# Altium PCB PA_8CH_CTRL.PcbDoc (part 3 of 11) (continued)
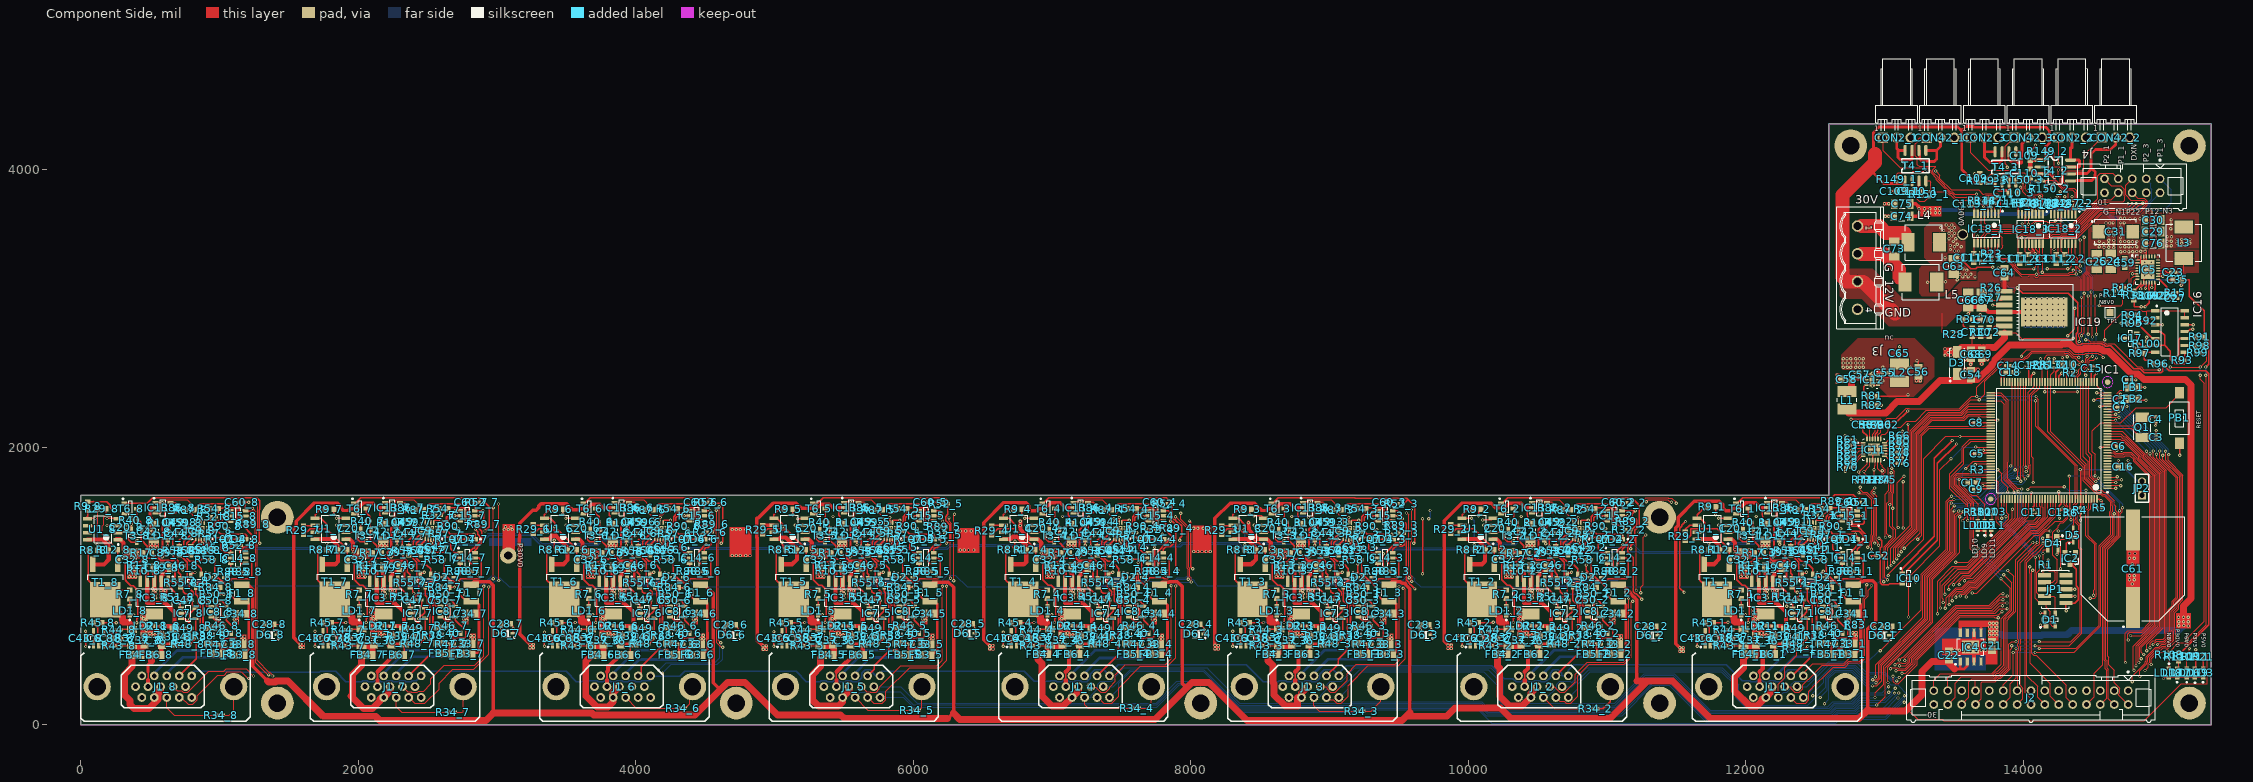
[diagram p0: Component Side view]
## Nets (pads, with @x,y where several pads share a name; then routed paths per layer and width w, separated by ;. In a path a pad name is that pad's centre, name@x,y a point inside that pad or via, vN(x,y) a via of type N, cw(c..) or ccw(c..) an arc to the next point about the centre after c; other vN are vias at no path point)
ADC_IN0: IC1.34 J1_8.5 | length 17190
  Component Side w6: v1(14507,2339) 14518.62,2339 14531.81,2352.19 14605.33,2352.19 IC1.34@14607.26,2354.12 ; v1(14784,310) 14784,351.57 14877.19,444.76 14877.19,453.56 14886,462.37 14886,492.59 14952.6,559.19 14976.05,559.19 14996.96,580.1 15022.11,580.1 15061,619 15061,669.36 15055,675.36 15055,824.64 15084,853.64 15084,885.99 15114.36,916.36 15114.36,1785.34 14983,1916.71 v1(14983,1974)
  Signal Layer 1 w6: J1_8.5@780.71,196.5 960.51,196.5 1013.98,143.02 1156.67,143.02 1298.24,284.59 1576.92,284.59 1743.51,118 2538,118 2542,122 2642.12,122 2683.12,81 4621.13,81 4671.76,30.37 4777.06,30.37 4804.69,58 7990.59,58 8018.22,30.37 8123.52,30.37 8136.15,43 11061.62,43 11214.92,196.3 11214.92,196.92 11302.59,284.59 11433.42,284.59 11660.01,58 12489.97,58 12517.97,86 12936.9,86 12940.71,82.19 13175.47,82.19 13314.62,221.34 13314.62,263.62 13357,306 14780,306 v1(14784,310)
  Solder Side w6: v1(14507,2339) 14545,2339 14614.81,2269.19 14663.62,2269.19 14674.24,2279.81 14696.62,2279.81 14983,1993.43 v1(14983,1974)
ADC_IN1: IC1.35 J1_8.10 | length 17568.8
  Component Side w6: v1(14559,2373) 14559.8,2373.8 IC1.35@14607.26,2373.8 ; v1(14840,349) 14840,390.6 14889.19,439.79 14889.19,448.59 14898,457.4 14898,487.62 14957.57,547.19 14981.02,547.19 15001.94,568.1 15027.08,568.1 15073,614.03 15073,674.33 15067,680.33 15067,819.67 15096,848.67 15096,881.02 15126.36,911.39 15126.36,1790.31 15005,1911.68 v1(15005,1944)
  Signal Layer 1 w6: J1_8.10@755.16,274.45 916.5,274.45 1023.92,167.02 1146.73,167.02 1297.71,318 1577.45,318 1752.96,142.49 2382.71,142.49 2386.22,146 2652.06,146 2693.06,105 4475.51,105 4576.75,206.24 4576.75,212.72 4660.62,296.59 4802.59,296.59 5017.18,82 7759.59,82 7883.83,206.24 7883.83,235.98 7959.85,312 8151,312 8218,245 8218,206.77 8344.77,80 11064.68,80 11190.92,206.24 11190.92,206.86 11292.65,308.59 11443.36,308.59 11666.95,85 12470.57,85 12558.38,172.81 12590.31,172.81 12664.93,98.19 12941.68,98.19 12945.68,94.19 13170.5,94.19 13302.62,226.31 13302.62,268.59 13352.03,318 14762.57,318 14775.38,330.81 14812.24,330.81 14830.43,349 v1(14840,349)
  Solder Side w6: v1(14559,2373) 14594,2338 14655.4,2338 15004.19,1989.21 15004.19,1944.81 v1(15005,1944)
ADC_IN2: IC1.36 J1_7.5 | length 15808.2
  Component Side w6: v1(14528.49,2393.49) 14550.06,2393.49 14550.38,2393.81 14606.94,2393.81 IC1.36@14607.26,2393.49 ; v1(14877,392) 14901.19,416.19 14901.19,443.62 14910,452.43 14910,482.65 14962.54,535.19 14985.99,535.19 15006.91,556.1 15032.05,556.1 15085,609.06 15085,679.3 15079,685.3 15079,814.7 15108,843.7 15108,876.05 15138.36,906.42 15138.36,1795.28 15025.81,1907.84 15025.81,1972.19 v1(15025,1973)
  Signal Layer 1 w6: J1_7.5@2434.25,197.64 J1_7.5@2453.62,197.64 2617.39,197.64 2698.03,117 4470.54,117 4564.75,211.21 4564.75,217.69 4655.65,308.59 4807.56,308.59 5022.15,94 7754.62,94 7871.83,211.21 7871.83,240.95 7954.88,324 8157,324 8230,251 8230,211.74 8349.74,92 11059.71,92 11178.92,211.21 11178.92,211.83 11287.68,320.59 11448.33,320.59 11671.92,97 12465.6,97 12553.41,184.81 12595.28,184.81 12669.9,110.19 12946.65,110.19 12950.65,106.19 13165.53,106.19 13290.62,231.28 13290.62,273.56 13347.06,330 14757.6,330 14770.41,342.81 14804.38,342.81 14831.38,369.81 14854.81,369.81 v1(14877,392)
  Solder Side w6: v1(14528.49,2393.49) 14528.81,2393.81 14567.62,2393.81 14579.81,2381.62 14579.81,2379.19 14609,2350 14660.57,2350 14660.57,2349.8 15025,1985.37 v1(15025,1973)
ADC_IN3: IC1.37 J1_7.10 | length 15947.2
  Component Side w6: IC1.37@14530.49,2470.26 14530.49,2443.51 v1(14557,2417) ; v1(14922,435) 14922,477.68 14967.51,523.19 15013.56,523.19 15034.47,544.1 15037.02,544.1 15097,604.09 15097,684.27 15091,690.27 15091,809.73 15120,838.73 15120,871.08 15150.36,901.45 15150.36,1800.25 15044,1906.62 15044,1945 v1(15047,1948)
  Signal Layer 1 w6: J1_7.10@2408.7,275.59 2479.33,275.59 2525.16,321.42 2575.29,321.42 2648.28,248.43 2648.28,206.05 2710.17,144.17 4463.76,144.17 4540.75,221.15 4540.75,227.63 4645.71,332.59 4817.5,332.59 5032.09,118 7744.68,118 7847.83,221.15 7847.83,250.89 7944.94,348 8169,348 8254,263 8254,221.68 8358.68,117 11050.77,117 11154.92,221.15 11154.92,221.77 11277.74,344.59 11458.27,344.59 11681.86,121 12445.8,121 12515.19,190.39 12515.19,206.62 12527.38,218.81 12578.25,218.81 12674.87,122.19 12951.62,122.19 12955.62,118.19 13160.56,118.19 13278.62,236.25 13278.62,278.53 13342.09,342 14752.63,342 14765.44,354.81 14799.41,354.81 14857.41,412.81 14899.81,412.81 v1(14922,435)
  Solder Side w6: v1(14557,2417) 14567,2417 14617,2367 14663,2367 14711,2319 14750.43,2319 14766.81,2302.62 14766.81,2267.19 15045.81,1988.19 15045.81,1949.19 v1(15047,1948)
ADC_IN4: IC1.18 J1_6.5 | length 13471.2
  Component Side w6: IC1.18@14607.26,2039.16 14723.84,2039.16 14832.19,1930.81 14832.19,1914.78 14947,1799.97 14947,723.25 14791.19,567.44 14791.19,399.81 v1(14797,394)
  Signal Layer 1 w6: J1_6.5@4087.8,197.64 J1_6.5@4107.17,197.64 4157.35,197.64 4198.82,156.17 4458.79,156.17 4528.75,226.12 4528.75,232.6 4640.74,344.59 4822.47,344.59 5037.06,130 7739.71,130 7835.83,226.12 7835.83,255.86 7939.97,360 8176,360 8266,270 8266,226.65 8363.65,129 11045.8,129 11142.92,226.12 11142.92,226.74 11272.77,356.59 11463.24,356.59 11686.69,133.14 12440.97,133.14 12503.19,195.36 12503.19,211.59 12522.41,230.81 12583.22,230.81 12657.86,156.17 12926.73,156.17 12934.38,163.81 12951.62,163.81 12959.43,156 13102.6,156 13128.41,130.19 13155.59,130.19 13266.62,241.22 13266.62,283.5 13337.12,354 14747.66,354 14787.66,394 v1(14797,394)
ADC_IN5: IC1.19 J1_6.10 | length 13468.2
  Component Side w6: IC1.19@14607.26,2058.84 14699.37,2058.84 14707.05,2051.16 14728.81,2051.16 14844.19,1935.78 14844.19,1919.75 14959,1804.94 14959,718.28 14812,571.28 v1(14812,425)
  Signal Layer 1 w6: J1_6.10@4062.24,275.59 4239.97,275.59 4347.39,383.02 4453.82,383.02 4505.84,331 4593.21,331 4630.8,368.59 4832.41,368.59 5043.86,157.14 7440.14,157.14 7667,384 8186,384 8186.98,383.02 8455.57,383.02 8685.58,153 10748.98,153 10915.35,319.37 10915.35,354.33 10944.04,383.02 11776.91,383.02 11792,383 12017.86,157.14 12431.03,157.14 12454.75,180.86 12454.75,211.18 12486.38,242.81 12588.19,242.81 12662.83,168.17 12921.76,168.17 12929.41,175.81 12956.59,175.81 12964.4,168 13107.57,168 13133.38,142.19 13150.62,142.19 13254.62,246.19 13254.62,288.47 13332.15,366 14737,366 14796,425 v1(14812,425)
ADC_IN6: IC1.20 J1_5.5 | length 11423.1
  Component Side w6: IC1.20@14607.26,2078.53 14702.47,2078.53 14717.84,2063.16 14733.78,2063.16 14856.19,1940.75 14856.19,1924.72 14971,1809.91 14971,713.31 14826.81,569.12 14826.81,456.19 v1(14833,450)
  Signal Layer 1 w6: v1(13142,163) 13242.62,263.62 13242.62,293.44 13327.18,378 14730,378 14801,449 14832,449 v1(14833,450)
  Solder Side w6: J1_5.5@5741.34,197.64 J1_5.5@5760.71,197.64 5929.39,197.64 6000.03,127 7753.68,127 7915.68,289 8135.77,289 8333.77,91 9184,91 9201.17,108.17 10071.95,108.17 10168.93,11.19 12647.19,11.19 12677,41 13007.37,41 13129.37,163 v1(13142,163)
ADC_IN7: IC1.21 J1_5.10 | length 11649.7
  Component Side w6: IC1.21@14607.26,2098.21 14701.79,2098.21 14724.84,2075.16 14738.75,2075.16 14868.19,1945.72 14868.19,1929.69 14983,1814.88 14983,708.34 14838.81,564.15 14838.81,487.19 v1(14849,477)
  Signal Layer 1 w6: v1(13143,210) 13143,211.57 13177.43,246 13178.21,246 13322.21,390 14725.03,390 14805.84,470.81 14842.81,470.81 v1(14849,477)
  Solder Side w6: J1_5.10@5715.79,275.59 5908.41,275.59 6026.86,157.14 7749.88,157.14 7823.83,231.09 7823.83,239.83 7897,313 8145.71,313 8343.71,115 9159,115 9176.17,132.17 10081.89,132.17 10135.06,79 11102.74,79 11320.33,296.59 11453.59,296.59 11714.99,35.19 12635.35,35.19 12671.17,71 12799.85,71 12812.85,84 13016.43,84 13142.43,210 v1(13143,210)
ADC_IN8: IC1.22 J1_4.5 | length 9998.4
  Component Side w6: IC1.22@14607.26,2117.9 14712.98,2117.9 14880.19,1950.69 14880.19,1934.66 14995,1819.85 14995,703.37 14850.81,559.18 14850.81,525.19 v1(14868,508)
  Signal Layer 1 w6: v1(13097,194) 13119.22,216.22 13119.22,216.78 13304.43,402 14718.43,402 14824.43,508 v1(14868,508)
  Solder Side w6: J1_4.5@7394.88,197.64 J1_4.5@7414.25,197.64 7419.28,197.64 7480.46,258.82 7480.46,299.12 7568.34,387 8088.68,387 8345.68,130 9155.25,130 9169.41,144.17 10086.86,144.17 10140.03,91 11075.97,91 11293.56,308.59 11458.56,308.59 11719.96,47.19 12630.38,47.19 12666.2,83 12794.88,83 12813.88,102 13000,102 13092,194 v1(13097,194)
ADC_IN9: IC1.13 J1_4.10 | length 9759.1
  Component Side w6: IC1.13@14607.26,1940.73 14648.9,1940.73 14656.44,1933.19 14725.56,1933.19 14733.1,1940.73 14768.33,1940.73 14796.19,1912.87 14796.19,1899.87 14911,1785.06 14911,738.17 14851.97,679.13 14754.13,679.13 14736,661 v1(14736,449)
  Signal Layer 1 w6: v1(13103,230) 13115.46,230 13299.46,414 14692,414 14727,449 v1(14736,449)
  Solder Side w6: J1_4.10@7369.33,275.59 7439.96,275.59 7563.37,399 8093.65,399 8349.65,143 9151.28,143 9164.44,156.17 10091.83,156.17 10145,103 11071,103 11288.59,320.59 11463.53,320.59 11724.93,59.19 12625.41,59.19 12661.22,95 12789.91,95 12816.91,122 12952.63,122 12953.44,122.81 12995.24,122.81 13102.43,230 v1(13103,230)
ADC_IN10: IC1.26 J1_3.5 | length 8374.4
  Component Side w6: IC1.26@14607.26,2196.64 v1(14664.36,2196.64) ; v1(14888,1973) 14892.19,1968.81 14892.19,1939.63 15007,1824.82 15007,698.4 14889,580.4 v1(14889,534)
  Signal Layer 1 w6: v1(13072,229) 13072,231 13083.19,242.19 13084.62,242.19 13093.24,250.81 13119.3,250.81 13294.49,426 14668,426 14776,534 v1(14889,534)
  Solder Side w6: J1_3.5@9067.8,197.64 9072.82,197.64 9134,258.82 9134,282 9235.02,383.02 10109.98,383.02 10222,271 10222,169 10242,149 10253.03,149 10275.03,127 11060.77,127 11278.36,344.59 11473.47,344.59 11734.87,83.19 12615.47,83.19 12651.28,119 12779.97,119 12787,126.03 12787,126.38 12824.43,163.81 13005.21,163.81 13070.4,229 v1(13072,229) ; v1(14664.36,2196.64) v1(14888,1973)
ADC_IN11: IC1.27 J1_3.10 | length 8482.4
  Component Side w6: IC1.27@14607.26,2216.32 14608.39,2217.45 14688.2,2217.45 v1(14689.32,2216.32) ; v1(14913,556) 14913,587.43 14933.57,608 14949.03,608 14957.13,616.1 15007.19,616.1 15023.35,632.26 15023.35,656.1 15019,660.45 15019,1829.79 14913,1935.79 v1(14913,1953)
  Signal Layer 1 w6: v1(13076,263) 13114.31,263 13293.31,442 14667,442 14781,556 v1(14913,556)
  Solder Side w6: J1_3.10@9022.87,275.59 9093.5,275.59 9216.91,399 10143,399 10235,307 10235,184 10280,139 11055.8,139 11273.39,356.59 11478.44,356.59 11739.84,95.19 12610.5,95.19 12646.31,131 12775,131 12775,131.35 12819.46,175.81 12999.24,175.81 13050.81,227.38 13050.81,237.81 v1(13076,263) ; v1(14689.32,2216.32) 14913,1992.65 v1(14913,1953)
ADC_IN12: IC1.28 J1_2.5 | length 6629.2
  Component Side w6: IC1.28@14607.26,2236.01 14664.99,2236.01 v1(14665,2239) ; v1@14937,581 14952,596 14954,596 14962.1,604.1 15012.16,604.1 15037,628.94 15037,659.42 15031,665.42 15031,1834.76 14937,1928.76 v1(14937,1974)
  Signal Layer 1 w6: v1(13030,236) 13049,255 13049,265.43 13067.38,283.81 13118.15,283.81 13288.34,454 14653,454 14779,580 v1(14935,580)
  Solder Side w6: J1_2.5@10721.34,197.64 10726.37,197.64 10787.54,258.82 10787.54,292.09 10879.46,384 11823.03,384 11926,281.03 11926,197.03 12003.84,119.19 12600.56,119.19 12637.54,156.17 12765.88,156.17 12827.52,217.81 13011.81,217.81 v1(13030,236) ; v1(14665,2239) 14665.81,2238.19 14696.89,2238.19 14710.13,2224.94 14710.13,2220.87 14937,1994 v1(14937,1974)
ADC_IN13: IC1.29 J1_2.10 | length 6728.5
  Component Side w6: IC1.29@14607.26,2255.69 14643.88,2255.69 14648,2259.81 14687.19,2259.81 v1(14688,2259) ; v1(14960,1950) 14960,1922.73 15102.36,1780.37 15102.36,921.33 15072,890.97 15072,858.61 15043,829.61 15043,670.39 15049,664.39 15049,623.97 15017.13,592.1 14981.87,592.1 14969.76,580 v1(14967.43,580)
  Signal Layer 1 w6: v1(13029,275) 13029,276 13048.81,295.81 13113.18,295.81 13283.37,466 14643,466 14784,607 14790.19,600.81 14943.62,600.81 14964.43,580 v1(14967.43,580)
  Solder Side w6: J1_2.10@10676.42,275.59 10747.05,275.59 10867.46,396 11828,396 11938,286 11938,202 12008.81,131.19 12588.86,131.19 12625.83,168.17 12760.91,168.17 12822.55,229.81 12982.81,229.81 13028,275 v1(13029,275) ; v1(14688,2259) 14694,2259 14960,1993 v1(14960,1950)
ADC_IN14: IC1.14 J1_1.5 | length 4329.1
  Component Side w6: IC1.14@14607.26,1960.42 14646.18,1960.42 14661.41,1945.19 14720.59,1945.19 14728.13,1952.73 14773.3,1952.73 14808.19,1917.84 14808.19,1904.84 14923,1790.03 14923,733.2 14856.94,667.13 14765.7,667.13 14751.19,652.62 14751.19,617.81 v1(14757,612)
  Signal Layer 1 w6: v1(13088,317) 13117.4,317 13281.4,481 14626,481 v1(14757,612)
  Solder Side w6: J1_1.5@12414.25,197.64 12419.28,197.64 12482,260.36 12482,286.1 12626.91,431.02 12789.98,431.02 12853.19,367.81 12997.79,367.81 13047.41,318.19 13086.81,318.19 v1(13088,317)
ADC_IN15: IC1.15 J1_1.10 | length 4346.6
  Component Side w6: IC1.15@14607.26,1980.1 14648.9,1980.1 14652.19,1976.81 14652.19,1971.38 14666.38,1957.19 14715.62,1957.19 14723.16,1964.73 14778.27,1964.73 14820.19,1922.81 14820.19,1909.81 14935,1795 14935,728.22 14850.78,644 v1(14772,644)
  Signal Layer 1 w6: v1(13106.23,341.66) 13125.09,341.66 13276.43,493 14620,493 14728,601 14728,621 14751,644 v1(14772,644)
  Solder Side w6: J1_1.10@12369.33,275.59 12439.96,275.59 12607.39,443.02 12802.98,443.02 12866.19,379.81 13002.76,379.81 13052.38,330.19 13069.62,330.19 13081.09,341.66 v1(13106.23,341.66)
ALERTN_CH0: IC1.77 IC9_8.2 LD4_8.1 R57_8.1 | length 14420.7
  Component Side w6: v1@1157,1372.12 v1(1160,1372.12) ; v1(13023,1130) 13023,1277.57 13183.29,1437.86 13183.29,2118.23 13319.06,2254 13547.78,2254 13608.53,2314.75 IC1.77@13764.74,2314.75
  Component Side w10: IC9_8.2@918.07,1389.02 994.98,1389.02 1011.88,1372.12 v1@1157,1372.12 ; v1(1160,1372.12) 1186.94,1372.12 1197.75,1361.3 LD4_8.1@1197.75,1337.8
  Signal Layer 1 w6: v1(1160,1372.12) 1326,1372.12 1329.17,1368.95 2320.92,1368.95 2330.92,1378.95 2452.71,1378.95 2479.66,1352 2551.53,1352 2561,1361.47 2816.78,1361.47 2825.81,1352.45 2843.05,1352.45 2855.42,1364.83 2926.98,1364.83 2937.94,1375.8 3036.46,1375.8 3037.59,1374.67 3980.18,1374.67 3984.47,1378.95 4092.48,1378.95 4129.43,1342 4200.57,1342 4212.52,1353.95 4452.91,1353.95 4466.41,1340.45 4493.59,1340.45 4508.95,1355.81 5602.56,1355.81 5633.04,1325.33 5745.24,1325.33 5780.38,1290.19 5841.62,1290.19 5860.43,1309 5877.43,1309 5894.81,1326.38 5894.81,1341.24 5907.38,1353.81 5924.62,1353.81 5981.43,1297 6128.62,1297 6168.88,1337.26 6717.83,1337.26 6737.38,1356.81 7255.1,1356.81 7306.72,1305.19 7463.38,1305.19 7479.38,1289.19 7563.27,1289.19 7584.08,1310 7812.14,1310 7852.95,1350.81 7990.76,1350.81 8001.77,1339.8 8179.33,1339.8 8189.09,1349.55 8346.44,1349.55 8357.32,1338.67 8414.33,1338.67 8418.61,1342.95 8905.53,1342.95 8928.72,1319.76 8977.35,1319.76 9041.93,1255.19 9427.84,1255.19 9502.52,1329.87 9614.92,1329.87 9632.79,1312 9991.66,1312 10009.47,1294.19 10016.8,1294.19 10033.38,1277.61 10050.62,1277.61 10062.81,1289.8 10062.81,1300.47 10086.15,1323.81 10332.34,1323.81 10342.19,1313.95 10362.02,1313.95 10426.97,1249 10578.69,1249 10579.64,1249.95 10596.88,1249.95 10597.38,1249.45 10717.55,1249.45 10744.81,1222.19 10950.88,1222.19 10952.64,1223.95 11073.18,1223.95 11078.73,1218.4 11108.23,1218.4 11137.76,1188.87 11184.25,1188.87 11205.12,1168 11610.85,1168 11662.04,1219.19 11689.56,1219.19 11695.56,1213.19 11772.44,1213.19 11778.44,1219.19 11831.87,1219.19 11887.11,1163.95 11990.68,1163.95 11991.68,1162.95 12054.65,1162.95 12097.27,1120.33 12206.76,1120.33 12232.24,1145.81 12375.19,1145.81 12401.05,1119.95 12460.92,1119.95 12468.78,1127.81 12566.62,1127.81 12572.1,1122.33 13015.33,1122.33 v1(13023,1130)
ALERTN_CH1: IC1.78 IC9_7.2 LD4_7.1 R57_7.1 | length 12643.1
  Component Side w6: v1(13047,1148) 13045.19,1149.81 13045.19,1273.5 13195.29,1423.6 13195.29,2113.26 13324.03,2242 13552.75,2242 13605.82,2295.06 IC1.78@13764.74,2295.06
  Component Side w10: IC9_7.2@2571.61,1390.16 2647.84,1390.16 2664.74,1373.26 v1(2834.43,1373.26) 2844.57,1363.12 2844.57,1345.67 LD4_7.1@2851.3,1338.94
  Signal Layer 1 w6: v1(2834.43,1373.26) 2837.99,1376.83 2922.01,1376.83 2932.97,1387.8 3041.44,1387.8 3042.56,1386.67 3975.21,1386.67 3979.5,1390.95 4097.45,1390.95 4134.4,1354 4195.6,1354 4207.55,1365.95 4457.88,1365.95 4471.38,1352.45 4488.62,1352.45 4503.98,1367.81 5608.19,1367.81 5625.82,1350.18 5625.82,1349.52 5638.01,1337.33 5655.25,1337.33 5667.44,1349.52 5667.44,1355.44 5679.81,1367.81 5738.03,1367.81 5744.03,1361.81 5767.62,1361.81 5781.93,1347.5 5857.07,1347.5 5865.38,1355.81 5891.97,1355.81 5901.97,1365.81 6102.56,1365.81 6127.92,1340.45 6155.1,1340.45 6163.91,1349.26 6698.83,1349.26 6718.38,1368.81 7260.07,1368.81 7311.69,1317.19 7465.76,1317.19 7479.38,1330.81 7503.76,1330.81 7522.38,1312.19 7539.62,1312.19 7539.76,1312.33 7569.44,1312.33 7579.11,1322 7807.17,1322 7847.98,1362.81 7995.73,1362.81 8006.74,1351.8 8174.36,1351.8 8184.12,1361.55 8351.41,1361.55 8362.3,1350.67 8409.36,1350.67 8413.64,1354.95 8910.5,1354.95 8933.69,1331.76 8982.32,1331.76 9046.9,1267.19 9422.87,1267.19 9497.55,1341.87 9619.89,1341.87 9637.76,1324 9996.63,1324 10014.44,1306.19 10020.34,1306.19 10033.38,1319.23 10050.62,1319.23 10057.61,1312.24 10081.18,1335.81 10337.31,1335.81 10347.17,1325.95 10484.05,1325.95 10516.54,1293.46 10539.39,1293.46 10570.9,1261.95 10725.17,1261.95 10752.93,1234.19 10945.91,1234.19 10947.67,1235.95 11078.15,1235.95 11083.7,1230.4 11113.21,1230.4 11142.74,1200.87 11189.22,1200.87 11210.09,1180 11605.88,1180 11657.07,1231.19 11694.53,1231.19 11700.53,1225.19 11767.47,1225.19 11773.47,1231.19 11836.84,1231.19 11892.08,1175.95 11995.65,1175.95 11996.65,1174.95 12059.62,1174.95 12102.24,1132.33 12201.79,1132.33 12227.27,1157.81 12381.76,1157.81 12407.62,1131.95 12437,1131.95 12444.86,1139.81 12571.59,1139.81 12577.07,1134.33 12997.9,1134.33 13014.38,1150.81 13044.19,1150.81 v1(13047,1148)
ALERTN_CH2: IC1.79 IC9_6.2 LD4_6.1 R57_6.1 | length 10866.8
  Component Side w6: v1(13066,1172) 13066,1277.34 13207.29,1418.63 13207.29,2108.29 13329,2230 13557.72,2230 13603.1,2275.38 IC1.79@13764.74,2275.38
  Component Side w10: IC9_6.2@4225.16,1390.16 4293.1,1390.16 4310,1373.26 v1(4480,1373.26) 4487.97,1373.26 4500.62,1360.61 4500.62,1343.15 4504.84,1338.94 4504.49,1338.58 LD4_6.1@4500.98,1338.58
  Signal Layer 1 w6: v1(4480,1373.26) 4486.55,1379.81 5743,1379.81 5749,1373.81 5772.59,1373.81 5786.9,1359.5 5852.1,1359.5 5860.41,1367.81 5887,1367.81 5897,1377.81 6107.53,1377.81 6132.89,1352.45 6150.13,1352.45 6158.94,1361.26 6693.86,1361.26 6713.41,1380.81 7385.03,1380.81 7407.03,1358.81 7420.62,1358.81 7436.62,1342.81 7511.38,1342.81 7522.38,1353.81 7526.83,1353.81 7526.97,1353.95 7569.44,1353.95 7582.94,1340.45 7808.65,1340.45 7843.01,1374.81 8000.7,1374.81 8011.71,1363.8 8169.39,1363.8 8179.15,1373.55 8356.38,1373.55 8367.27,1362.67 8404.39,1362.67 8408.67,1366.95 8863.95,1366.95 8864.81,1367.81 8914.62,1367.81 8938.66,1343.76 8987.3,1343.76 9051.87,1279.19 9417.9,1279.19 9492.58,1353.87 9624.86,1353.87 9642.73,1336 10033.18,1336 10044.99,1347.81 10342.28,1347.81 10352.14,1337.95 10554.48,1337.95 10584.67,1307.76 10593.07,1307.76 10605.26,1295.57 10605.26,1293.03 10614.29,1284 10720.09,1284 10757.9,1246.19 10940.94,1246.19 10942.7,1247.95 11083.12,1247.95 11088.67,1242.4 11118.18,1242.4 11147.71,1212.87 11194.19,1212.87 11215.06,1192 11600.91,1192 11652.1,1243.19 11699.5,1243.19 11705.5,1237.19 11762.5,1237.19 11768.5,1243.19 11841.81,1243.19 11897.05,1187.95 12000.62,1187.95 12001.38,1187.19 12063.76,1187.19 12076.38,1199.81 12094.79,1199.81 12109.19,1185.41 12109.19,1181.38 12121.38,1169.19 12152.81,1169.19 12160.81,1177.19 12209.4,1177.19 12214.21,1182 12366.12,1182 12374.31,1173.81 12427.62,1173.81 12449.62,1151.81 12576.56,1151.81 12582.04,1146.33 12982.33,1146.33 13008,1172 v1(13066,1172)
ALERTN_CH3: IC1.80 IC9_5.2 LD4_5.1 R57_5.1 | length 9176.7
  Component Side w6: v1(13087,1196) 13082.19,1200.81 13082.19,1276.56 13219.29,1413.66 13219.29,2103.32 13333.97,2218 13562.69,2218 13600.39,2255.69 IC1.80@13764.74,2255.69
  Component Side w10: IC9_5.2@5878.7,1390.16 5957.1,1390.16 5974,1373.26 v1(6141.51,1373.26) 6158.38,1356.39 LD4_5.1@6158.38,1338.94
  Signal Layer 1 w6: v1(6141.51,1373.26) 6688.89,1373.26 6708.44,1392.81 7390,1392.81 7412,1370.81 7425.59,1370.81 7441.59,1354.81 7506.41,1354.81 7517.41,1365.81 7521.86,1365.81 7522,1365.95 7600.99,1365.95 7602.33,1364.62 7619.57,1364.62 7620.9,1365.95 7772.93,1365.95 7786.44,1352.45 7803.68,1352.45 7838.04,1386.81 8005.67,1386.81 8016.68,1375.8 8164.42,1375.8 8174.44,1385.81 8361.09,1385.81 8372.24,1374.67 8399.42,1374.67 8410.56,1385.81 8962.62,1385.81 9057.24,1291.19 9192.59,1291.19 9201.4,1300 9421.74,1300 9487.61,1365.87 9629.83,1365.87 9647.7,1348 10028.21,1348 10040.02,1359.81 10347.25,1359.81 10357.11,1349.95 10559.45,1349.95 10589.64,1319.76 10598.04,1319.76 10621.8,1296 10725.06,1296 10762.87,1258.19 10935.96,1258.19 10937.73,1259.95 11088.09,1259.95 11093.64,1254.4 11123.15,1254.4 11152.68,1224.87 11199.16,1224.87 11220.03,1204 11595.94,1204 11647.13,1255.19 11704.47,1255.19 11710.47,1249.19 11757.53,1249.19 11763.53,1255.19 11784.16,1255.19 11813.92,1284.95 12035.79,1284.95 12048.98,1271.76 12048.98,1262.58 12100.76,1210.81 12111.38,1210.81 12121.38,1220.81 12138.62,1220.81 12150.81,1208.62 12150.81,1199.19 12160.81,1189.19 12204.43,1189.19 12209.24,1194 12371.09,1194 12379.28,1185.81 12432.59,1185.81 12454.59,1163.81 12581.53,1163.81 12587.01,1158.33 12977.36,1158.33 13003.03,1184 13048,1184 13060,1196 v1(13087,1196)
ALERTN_CH4: IC1.81 IC9_4.2 LD4_4.1 R57_4.1 | length 7441.3
  Component Side w6: v1(13103,1223) 13100.19,1225.81 13100.19,1277.59 13231.29,1408.69 13231.29,2098.35 13338.94,2206 13567.67,2206 13601.48,2239.81 13760.94,2239.81 IC1.81@13764.74,2236.01
  Component Side w10: IC9_4.2@7532.24,1390.16 7577.52,1390.16 R57_4.1@7582.59,1385.09 ; R57_4.1@7586,1388.5 7607.87,1388.5 v2(7610.95,1385.43) ; v1(7795.06,1373.26) 7795.28,1373.04 7795.28,1351.38 LD4_4.1@7808.07,1338.58
  Signal Layer 1 w6: v1(7795.06,1373.26) 7820.61,1398.81 8010.64,1398.81 8021.65,1387.8 8159.45,1387.8 8169.46,1397.81 8366.06,1397.81 8377.21,1386.67 8394.45,1386.67 8405.59,1397.81 8967.59,1397.81 9046.21,1319.19 9115.76,1319.19 9129.38,1332.81 9146.62,1332.81 9171.24,1308.19 9192.62,1308.19 9196.43,1312 9416.77,1312 9482.64,1377.87 9634.8,1377.87 9652.67,1360 10012.57,1360 10024.38,1371.81 10352.22,1371.81 10362.08,1361.95 10564.42,1361.95 10594.61,1331.76 10603.01,1331.76 10626.77,1308 10730.03,1308 10767.84,1270.19 10930.99,1270.19 10932.76,1271.95 11093.06,1271.95 11098.61,1266.4 11128.12,1266.4 11157.65,1236.87 11204.13,1236.87 11225,1216 11590.97,1216 11642.16,1267.19 11709.44,1267.19 11715.44,1261.19 11752.56,1261.19 11758.56,1267.19 11779.19,1267.19 11808.95,1296.95 12040.76,1296.95 12060.98,1276.73 12060.98,1273.96 12101.88,1233.06 12206.68,1233.06 12211.9,1227.84 12253.04,1227.84 12272.55,1208.33 12289.79,1208.33 12290.46,1209 12373.06,1209 12384.25,1197.81 12437.56,1197.81 12459.56,1175.81 12586.5,1175.81 12591.98,1170.33 12972.39,1170.33 12998.06,1196 13029,1196 13056,1223 v1(13103,1223)
  Signal Layer 1 w10: v2(7610.95,1385.43) 7613.31,1387.8 7780.52,1387.8 v1(7795.06,1373.26)
ALERTN_CH5: IC1.82 IC9_3.2 LD4_3.1 R57_3.1 | length 5689.3
  Component Side w6: v1(13121,1248) 13120.19,1248.81 13120.19,1280.62 13243.29,1403.72 13243.29,2093.38 13343.91,2194 13572.64,2194 13606.45,2227.81 13687.62,2227.81 13695.62,2219.81 13761.25,2219.81 IC1.82@13764.74,2216.32
  Component Side w10: IC9_3.2@9185.79,1390.16 9231.06,1390.16 R57_3.1@9232.72,1388.5 ; R57_3.1@9240,1388.5 9257.76,1388.5 9273,1373.26 v1(9448.6,1373.26) 9449.58,1373.26 9461.61,1361.22 LD4_3.1@9461.61,1338.58
  Signal Layer 1 w6: v1(9448.6,1373.26) 9461.06,1373.26 9477.67,1389.87 9639.77,1389.87 9656.38,1373.26 10008.86,1373.26 10019.41,1383.81 10357.19,1383.81 10367.05,1373.95 10569.39,1373.95 10599.58,1343.76 10607.98,1343.76 10631.74,1320 10741.6,1320 10779.41,1282.19 10926.02,1282.19 10927.79,1283.95 11098.03,1283.95 11103.58,1278.4 11120.82,1278.4 11126.38,1283.95 11147.22,1283.95 11150.43,1280.75 11150.43,1261.06 11162.62,1248.87 11179.86,1248.87 11189.7,1258.71 11199.72,1258.71 11230.43,1228 11586,1228 11637.19,1279.19 11714.41,1279.19 11720.41,1273.19 11747.59,1273.19 11753.59,1279.19 11770.16,1279.19 11799.92,1308.95 12045.73,1308.95 12072.98,1281.7 12072.98,1278.93 12106.85,1245.06 12211.65,1245.06 12212.53,1244.19 12266.79,1244.19 12272.55,1249.95 12349.08,1249.95 12389.22,1209.81 12442.53,1209.81 12464.53,1187.81 12640.07,1187.81 12645.55,1182.33 12967.42,1182.33 12993.09,1208 13024.03,1208 13059.84,1243.81 13111.62,1243.81 13114.22,1241.22 v1(13121,1248)
ALERTN_CH6: IC1.85 IC9_2.2 LD4_2.1 R57_2.1 | length 3899.5
  Component Side w6: v1(13141,1272) 13255.29,1386.29 13255.29,2088.41 13319.37,2152.49 13718,2152.49 13722.78,2157.27 IC1.85@13764.74,2157.27
  Component Side w10: IC9_2.2@10839.33,1390.16 10909.1,1390.16 10926,1373.26 11102.14,1373.26 v1(11106.2,1369.2) 11115.16,1360.24 LD4_2.1@11115.16,1338.58
  Signal Layer 1 w6: v1(11106.2,1369.2) 11111.2,1369.2 11185.42,1294.98 11195.05,1294.98 11201.89,1288.15 11201.89,1273.51 11227.4,1248 11568.97,1248 11612.16,1291.19 11719.38,1291.19 11725.38,1285.19 11742.62,1285.19 11748.62,1291.19 11765.19,1291.19 11794.95,1320.95 12050.7,1320.95 12084.98,1286.67 12084.98,1283.9 12111.82,1257.06 12216.62,1257.06 12217.5,1256.19 12236.65,1256.19 12242.42,1261.95 12354.05,1261.95 12383.19,1232.81 13024.81,1232.81 13064,1272 v1(13141,1272)
ALERTN_CH7: IC1.86 IC9_1.2 LD4_1.1 R57_1.1 | length 2109
  Component Side w6: v1(13238.19,1338.58) 13267.29,1367.69 13267.29,2083.44 13321.43,2137.58 IC1.86@13764.74,2137.58
  Component Side w10: IC9_1.2@12532.24,1390.16 12611.1,1390.16 12628,1373.26 v1(12790,1373.26) 12790,1369 12811.93,1347.07 LD4_1.1@12811.93,1338.94
  Signal Layer 1 w6: v1(12790,1373.26) 12790.26,1373.26 12828,1411 13016,1411 13047.81,1442.81 13140.62,1442.81 13238.19,1345.24 v1(13238.19,1338.58)
DXN_1: C111_1.1 C112_1.1 IC18_1.11 J4.8 | length 1337.2
  Component Side w6: C111_1.1@13641.73,3333.66 13642.72,3333.66 13672.24,3363.19 13672.24,3371.06 13697.83,3396.65 C112_1.1@13700.79,3396.65 13700.79,3425.2 13695.77,3430.22 IC18_1.11@13695.77,3470.47 13695.77,3519.59 13734.25,3558.07 13998.75,3558.07 14000.87,3555.95 14012.35,3555.95 14013.33,3554.96 14164.45,3554.96 14194.45,3584.96 14246.45,3584.96 14253.51,3592.02 14355.21,3592.02 14541.19,3778 14602.25,3778 14609.25,3785 14635.01,3785 J4.8@14685,3834.99